# Altium PCB PCB_3U_CLK_DIST.PCBDOC (part 1 of 2) (continued)
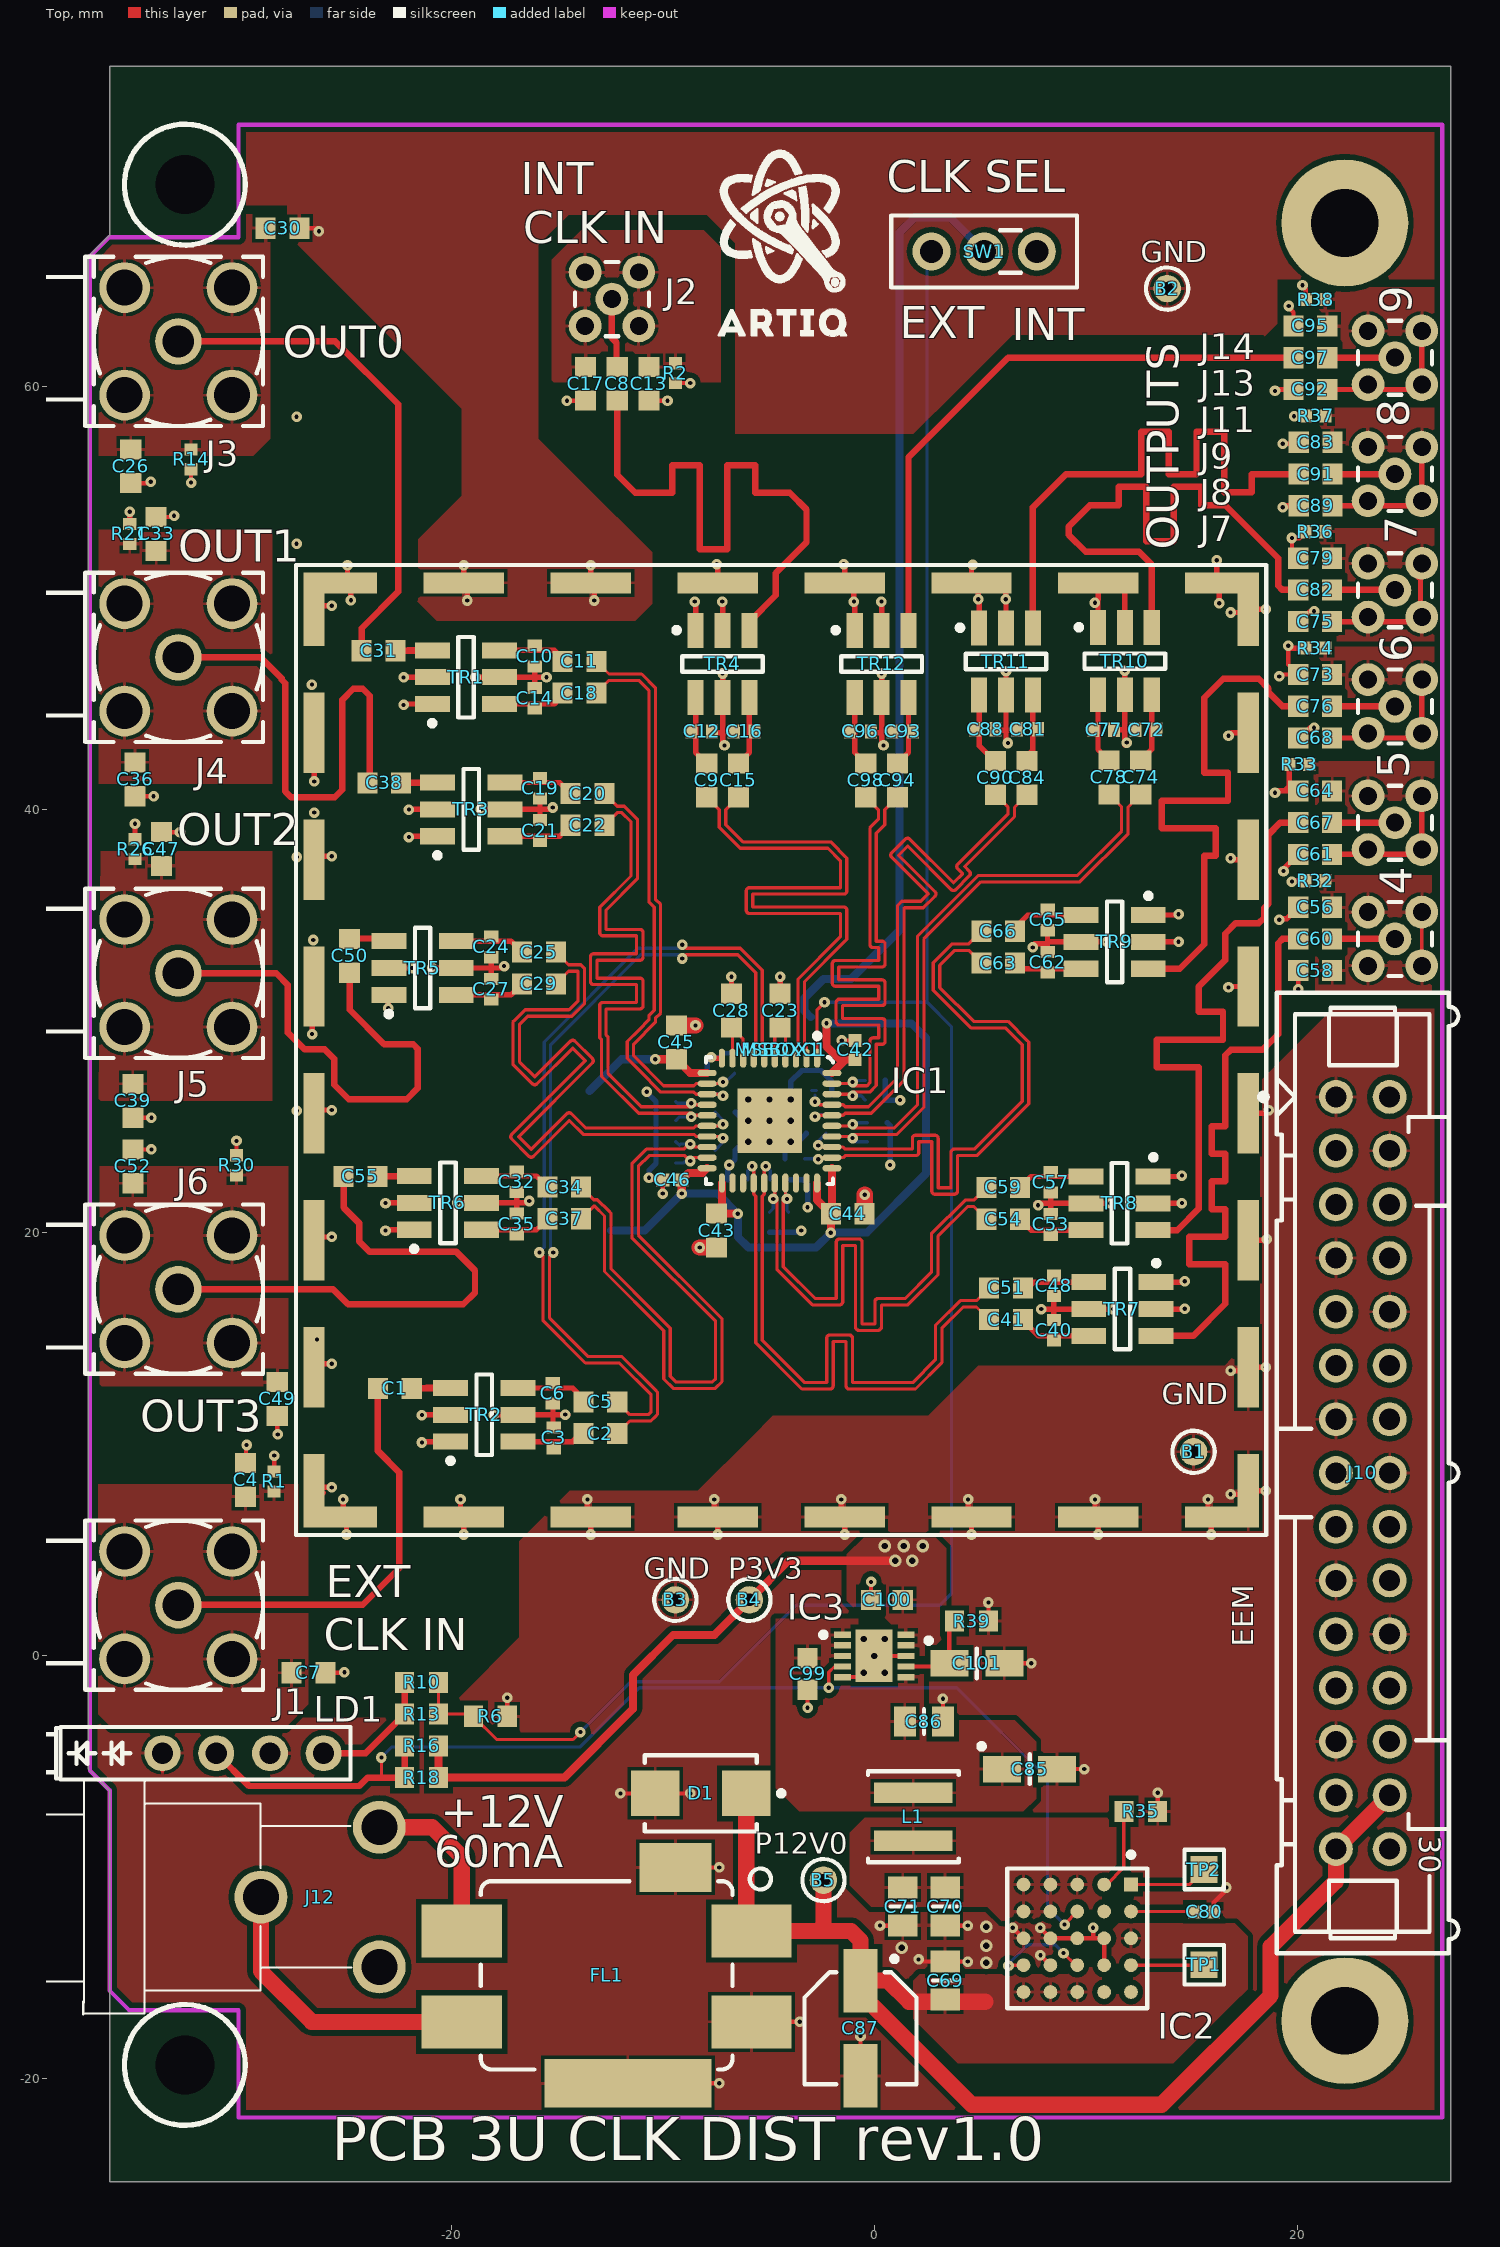
[diagram p0: Top view]
## Footprints (in the part's own frame and the unit in brackets; to place one, negate y for a bottom-side part, rotate by r counter-clockwise, add the part's x,y. Pads: shape width x height; smd on the part's side, far side on the other; paste and mask are expansions set on the pad) (continued)
  silkscreen extent -4.08,-3.3 3.3,3.3, body extent -3.12,-3.12 3.13,3.13, height 1.92
MSBOX_LAIRD_BMI-S-207-C [mm] "Cover for Frame of Standard Surface Mount Shield (Two Piece), External Dimensions 44.83 x 44.83mm"
  body extent -22.41,-22.41 22.42,22.42, height 9.88
MSBOX_LAIRD_BMI-S-207-F [mm] "Frame of Standard Surface Mount Shield (Two Piece), External Dimensions 44.37 x 44.37mm"
  rect 1x3.485 smd: 1(-22.085,20.843) 8(-22.085,-20.843) 15(22.085,-20.843) 22(22.085,20.843)
  rect 2.485x1 smd: 1(-20.342,22.085) 8(-20.342,-22.085) 15(20.342,-22.085) 22(20.342,22.085)
  rect 1x3.8 smd: 2(-22.085,15) 3(-22.085,9) 4(-22.085,3) 5(-22.085,-3) 6(-22.085,-9) 7(-22.085,-15) 16(22.085,-15) 17(22.085,-9) 18(22.085,-3) 19(22.085,3) 20(22.085,9) 21(22.085,15)
  rect 3.8x1 smd: 9(-15,-22.085) 10(-9,-22.085) 11(-3,-22.085) 12(3,-22.085) 13(9,-22.085) 14(15,-22.085) 23(15,22.085) 24(9,22.085) 25(3,22.085) 26(-3,22.085) 27(-9,22.085) 28(-15,22.085)
  silkscreen extent -22.94,-22.94 22.94,22.94, body extent -22.23,-22.23 22.24,22.24, height 9.75
QFN50P600X600X100-41N-S305 [mm] "QFN, 0.50mm pitch,square; 40 pin, 6.00mm L X 6.00mm W X 1.00mm H body (w/thermal tab), IPC Medium Density"
  oval 0.9x0.3 smd: 1(-2.95,2.25) 2(-2.95,1.75) 3(-2.95,1.25) 4(-2.95,0.75) 5(-2.95,0.25) 6(-2.95,-0.25) 7(-2.95,-0.75) 8(-2.95,-1.25) 9(-2.95,-1.75) 10(-2.95,-2.25) 21(2.95,-2.25) 22(2.95,-1.75) 23(2.95,-1.25) 24(2.95,-0.75) 25(2.95,-0.25) 26(2.95,0.25) 27(2.95,0.75) 28(2.95,1.25) 29(2.95,1.75) 30(2.95,2.25)
  oval 0.3x0.9 smd: 11(-2.25,-2.95) 12(-1.75,-2.95) 13(-1.25,-2.95) 14(-0.75,-2.95) 15(-0.25,-2.95) 16(0.25,-2.95) 17(0.75,-2.95) 18(1.25,-2.95) 19(1.75,-2.95) 20(2.25,-2.95) 31(2.25,2.95) 32(1.75,2.95) 33(1.25,2.95) 34(0.75,2.95) 35(0.25,2.95) 36(-0.25,2.95) 37(-0.75,2.95) 38(-1.25,2.95) 39(-1.75,2.95) 40(-2.25,2.95)
  rect 3.05x3.05 smd: 41(0,0)
  silkscreen extent -4.12,-3 3,3, body extent -3,-3 3,3, height 1
RESC1005X40N [mm] "Chip Resistor, EIA 0402, Metric 1005, Body 1.0x0.5mm, IPC Medium Density"
  rect 0.58x0.62 smd: 1(-0.47,0) 2(0.47,0)
  body extent -0.52,-0.27 0.53,0.28, height 0.4
RESC1608X55N [mm] "Chip Resistor, EIA 0603, Metric 1608, Body 1.6x0.8mm, IPC Medium Density"
  rect 0.9x1 smd: 1(-0.8,0) 2(0.8,0)
  body extent -0.87,-0.47 0.88,0.48, height 0.55
RF249BT0050GHDW [mm] "50 Ohm Through Hole SMA Right Angle PCB Jack"
  round 2.2 hole 1.5: 1(0,0)
  round 2.4 hole 1.7: 2(-2.54,2.54) 2(-2.54,-2.54) 2(2.54,2.54) 2(2.54,-2.54)
  silkscreen extent -4,-5.1 15.9,5.1, body extent -4,-5.1 16.5,5.1, height 11.45
SAMTEC_MMCX-J-P-H-ST-TH1 [mm] "Straight Through-hole 50 Ohm Micro Mini RF Jack, MMCX Serie"
  round 1.55 hole 0.85: 1(0,0) 2(-1.27,-1.27) 2(-1.27,1.27) 2(1.27,-1.27) 2(1.27,1.27)
  silkscreen extent -1.75,-1.75 1.75,1.75, body extent -1.75,-1.75 1.75,1.75, height 4.35
SON50P300X300X80-11N-R175X248 [mm] "SON, 0.50mm Pitch, 10-pin, 3.00mm W  X 3.00mm L X 0.80mm Height, (w/thermal tab 1.75 X 2.48 mm), IPC Medium Density"
  rect 0.8x0.3 smd: 1(-1.5,1) 2(-1.5,0.5) 3(-1.5,0) 4(-1.5,-0.5) 5(-1.5,-1) 6(1.5,-1) 7(1.5,-0.5) 8(1.5,0) 9(1.5,0.5) 10(1.5,1)
  rect 1.75x2.48 smd: 11(0,0)
  silkscreen extent -2.52,0.88 -2.27,1.12, body extent -1.5,-1.5 1.5,1.5, height 0.8
SW_TYCO_1-1437575-4 [mm] "Body 8.79 x 3.4mm, SPDT Slide Low Profile Switch, SSA Series"
  round 1.8 hole 1.1: 1(-2.489,0) 2(0,0) 3(2.489,0)
  silkscreen extent -4.39,-1.7 4.39,1.7, body extent -4.39,-1.7 4.39,1.7, height 5.4
SWITCHCRAFT_L712RA [mm] "CONN PWR JACK 2.5X5.5MM SOLDER"
  round 2.5 hole 1.7: 1(-5.6,-3.3) 2(0,-6.6) 3(0,0)
  silkscreen extent -22,-8.84 -1.32,2.21, body extent -22,-8.84 1.35,2.18, height 13.9
TPS127 [mm] "1.27 x  1.27mm SMD Test Point Area"
  rect 1.27x1.27 smd paste-1.27: 1(0,0)
  silkscreen extent -0.94,-0.94 0.94,0.94
XFMR_MINI-CIRCUITS_DB1627 [mm] "MINI-CIRCUITS RF Transformer, Case DB1627 - Body 4.06X3.81mm"
  rect 0.76x1.65 smd: 1(-1.27,1.59) 2(0,1.59) 3(1.27,1.59) 4(1.27,-1.59) 5(0,-1.59) 6(-1.27,-1.59)
  silkscreen extent -2.3,-0.37 1.91,1.72, body extent -1.9,-2.03 1.91,2.03, height 4.06

## Part data
B1 B2 B3 B4 B5: library part PLATED_HOLE0.6_PAD1.3, "Single Terminal Socket"
C1 C2 C4 C5 C7 C8 C9 C11 C13 C15 C17 C18 C20 C22 C23 C25 C26 C28 C29 C30 C31 C33 C34 C36 C37 C38 C39 C41 C43 C44 C45 C47 C49 C50 C51 C52 C54 C55 C56 C58 C59 C60 C61 C63 C64 C66 C67 C68 C73 C74 C75 C76 C78 C79 C82 C83 C84 C89 C90 C91 C92 C94 C95 C97 C98: library part CC0603_10NF_50V_5%_C0G, "Non-polarised capacitor"
C3 C6 C10 C12 C14 C16 C19 C21 C24 C27 C32 C35 C40 C48 C53 C57 C62 C65 C72 C77 C81 C88 C93 C96: library part CC0402_0.5PF_25V_0.05PF_AVX_04023J0R5ABSTR, "Non-polarised capacitor"
C42 C46 C80: library part CC0402_100NF_16V_10%_X5R, "Non-polarised capacitor"
C69 C70 C71 C86: library part CC0805_22UF_16V_10%_X5R, "Non-polarised capacitor"
C85 C101: library part CTE3216-18_22UF_6.3V_10%_LESR0900, "Polarised capacitor"
C87: library part CAE530-540_22UF_16V_20%, "Polarised capacitor"
C99 C100: library part CC0603_4.7UF_25V_10%_X5R, "Non-polarised capacitor"
D1: "Zener Diode"
FL1: library part FIL_MURATA_BNX022-01L, "Block Type EMIFIL (LC Combined)"
IC1: "Two Selectable Inputs, 10 LVPECL Outputs, SiGe Clock Fanout Buffer"
IC2: "4V-20V to 0.6V-5.5V, Iout 3A Step-Down DC/DC uModule Regulator"
IC3: "20V, 500mA, Ultralow Noise, Ultrahigh PSRR Linear Regulator"
J1 J3 J4 J5 J6: "50 Ohm Through Hole SMA Right Angle PCB Jack"
J2 J7 J8 J9 J11 J13 J14: library part SAMTEC_MMCX-J-P-H-ST-TH1
J10: library part 3M_N2530-6002RB, "Connector 30 Male"
J12: "24V /3. 5A, 2.1mm Diameter Pin, SMD DC Power Supply Connector With  Break Contact"
L1: library part IND_6.8UH_20%_COILCRAFT_XAL4030, "Inductor With Core"
LD1: library part LED_DIALIGHT_571-0122F, "LED x2 Green 1C2A-BOT_3C4A-TOP"
MSBOX1: library part MSBOX_LAIRD_BMI-S-207-F
MSBOXC1: library part MSBOX_LAIRD_BMI-S-207-C, "Metal Screening Box - Top Cover 0 Pin"
R1 R2 R14 R21 R26 R30 R32 R33 R34 R36 R37 R38: library part R0402_100K_1%_0.0625W_100PPM, "Resistor - 1%"
R3 R4 R5 R7 R8 R9 R11 R12 R15 R17 R19 R20 R22 R23 R24 R25 R27 R28 R29 R31: library part R0402_200R_1%_0.0625W_100PPM, "Resistor - 1%"
R6 R10 R13 R16 R18: library part R0603_1K2_1%_0.1W_100PPM, "Resistor - 1%"
R35: library part R0603_12K_1%_0.1W_100PPM, "Resistor - 1%"
R39: library part R0603_3K3_1%_0.1W_100PPM, "Resistor - 1%"
SW1: library part SW_TYCO_1-1437575-4, "SPDT Switch"
TP1 TP2: library part SMD_PAD_1.27X1.27MM
TR1 TR2 TR3 TR4 TR5 TR6 TR7 TR8 TR9 TR10 TR11 TR12: library part XFMR_MINI-CIRCUITS_TCM2-43X+, "50 OHMS 10 to 4000 MHz RF Transformer"

## Free pads (board coordinates)
  round 6 hole 3.2: 0(22.25,-17.25) 1(22.25,67.75)
  round 1.27 hole 2.794: 1(-32.594,69.562) 2(-32.594,-19.338)

## Via types
v1: diameter 0.5, hole 0.2, Top to Bot, tented both sides, 209 vias
v2: diameter 0.6, hole 0.3, Top to Bot, tented both sides, 23 vias

## Nets (pads, with @x,y where several pads share a name; then routed paths per layer and width w, separated by ;. In a path a pad name is that pad's centre, name@x,y a point inside that pad or via, vN(x,y) a via of type N, cw(c..) or ccw(c..) an arc to the next point about the centre after c; other vN are vias at no path point)
EEM_CLK_OUT0: C31.2 TR1.3 | length 2.9
  Top w0.305: C31.2@-22.635,47.525 -20.91,47.525 TR1.3@-20.89,47.545 -22.03,47.545
EEM_CLK_OUT1: C38.2 TR3.3 | length 1.6
  Top w0.305: C38.2@-22.29,41.295 TR3.3@-20.64,41.295
EEM_CLK_OUT2: C50.2 TR5.3 | length 1.8
  Top w0.305: C50.2@-24.685,33.92 -23.065,33.92 TR5.3@-22.94,33.795
EEM_CLK_OUT3: C55.2 TR6.3 | length 2.9
  Top w0.305: C55.2@-23.49,22.67 -21.765,22.67 TR6.3@-21.745,22.69 -22.885,22.69
EEM_CLK_OUT4: C60.2 TR7.3 | length 29.9
  Top w0.305: TR7.3@13.325,15.13 14.465,15.13 15.08,15.13 16.6,16.65 16.6,18.519 14.886,18.519 14.886,19.824 16.6,19.824 16.6,21.128 15.96,21.128 15.96,22.433 16.6,22.433 16.6,23.738 15.96,23.738 15.96,25.043 16.6,25.043 16.6,28.4 16.85,28.65 18.35,28.65 19.1,29.4 19.1,33.701 19.3,33.9 C60.2@20.05,33.9
EEM_CLK_OUT5: C67.2 TR8.3 | length 30.2
  Top w0.305: TR8.3@13.19,20.13 14.33,20.13 15.35,21.15 15.35,27.838 13.35,27.838 13.35,29.143 16.491,29.143 16.491,30.448 15.35,30.448 15.35,31.65 16.6,32.9 16.6,34.15 17.1,34.65 18.185,34.65 18.443,34.908 18.443,35.362 18.643,35.561 18.643,38.843 19.2,39.4 C67.2@20.05,39.4
EEM_CLK_OUT6: C76.2 TR9.3 | length 28.7
  Top w0.305: TR9.3@12.955,32.49 14.44,32.49 15.6,33.65 15.6,37.833 16.154,37.833 16.154,39.138 13.6,39.138 13.6,40.443 16.728,40.443 16.728,41.748 15.6,41.748 15.6,45.3 16.5,46.2 18.182,46.2 18.643,45.74 18.643,45.557 19.3,44.9 C76.2@20.05,44.9 ; TR9.3@13.03,32.49 14.17,32.49
EEM_CLK_OUT7: C82.2 TR10.3 | length 28.4
  Top w0.305: TR10.3@13.12,48.625 13.12,51.6 12.52,52.2 10,52.2 9.2,53 9.2,53.4 10.2,54.4 11.552,54.4 11.552,55.271 12.857,55.271 12.857,52.708 14.162,52.708 14.162,55.271 15.467,55.271 15.467,54.4 16.601,54.4 19.1,51.9 19.1,50.6 19.3,50.4 C82.2@20.05,50.4
EEM_CLK_OUT8: C91.2 TR11.3 | length 29.8
  Top w0.305: 7.5,49.745 TR11.3@7.5,48.605 7.5,54.3 9.08,55.88 12.628,55.88 12.628,57.88 13.933,57.88 13.933,55.88 15.238,55.88 15.238,57.88 16.543,57.88 16.543,55.01 17.848,55.01 17.848,55.88 C91.2@20.07,55.88
EEM_CLK_OUT9: C97.2 TR12.3 | length 29.5
  Top w0.305: 1.62,49.63 TR12.3@1.62,48.49 1.62,56.67 6.33,61.38 C97.2@19.82,61.38
EEM_OUT0_N: C11.2 IC1.12 R31.1 | length 26.9
  Top w0.152: C11.2@-13.135,47.025 -12.537,46.427 -10.996,46.427 -10.345,45.776 -10.345,35.776 -10.1,35.531 -10.1,30.395 -10.345,30.15 -10.345,29.955 -11.375,28.925 -11.375,28.376 -9.962,26.963 -8.523,26.963 -8.426,27.06 IC1.12@-7.9,27.06 -7.226,27.06 v1(-7.15,27.137)
  Bot w0.152: v1(-7.15,27.137) -7.018,27.137 R31.1@-6.6,27.555
EEM_OUT0_P: C18.2 IC1.13 R29.1 | length 27
  Top w0.152: C18.2@-13.135,45.525 -12.537,46.123 -11.123,46.123 -10.65,45.65 -10.65,35.65 -10.404,35.405 -10.404,30.522 -10.65,30.276 -10.65,30.082 -11.115,29.616 -11.68,29.051 -11.68,28.25 -11.115,27.685 -10.088,26.658 -8.523,26.658 -8.426,26.56 IC1.13@-7.9,26.56 -7.226,26.56 v1(-7.15,26.484)
  Bot w0.152: R29.1@-7.9,26.59 -7.256,26.59 v1(-7.15,26.484)
EEM_OUT1_N: C20.2 IC1.14 R28.1 | length 28.5
  Top w0.152: C20.2@-12.75,40.775 -12.152,40.177 -11.809,40.177 -11.195,39.564 -11.195,36.749 -12.675,35.269 -12.675,34.351 -11.081,34.351 cw(c-11.081,34.199) -10.929,34.199 -10.929,33.046 cw(c-11.081,33.046) -11.081,32.894 -13.111,32.894 -13.111,32.046 -11.081,32.046 cw(c-11.081,31.894) -10.929,31.894 -10.929,30.742 cw(c-11.081,30.742) -11.081,30.589 -12.675,30.589 -12.675,29.353 -12.584,29.262 -12.584,27.534 -11.013,25.963 v1@-8.65,25.963 ; v1(-8.65,26.137) -8.573,26.06 IC1.14@-7.9,26.06
  Bot w0.152: R28.1@-9.38,26.21 -9.306,26.137 v1(-8.65,26.137)
EEM_OUT1_P: C22.2 IC1.15 R27.1 | length 28.5
  Top w0.152: C22.2@-12.75,39.275 -12.152,39.873 -11.935,39.873 -11.5,39.438 -11.5,36.875 -12.98,35.395 -12.98,34.199 ccw(c-12.827,34.199) -12.827,34.046 -11.234,34.046 -11.234,33.199 -13.263,33.199 ccw(c-13.263,33.046) -13.416,33.046 -13.416,31.894 ccw(c-13.263,31.894) -13.263,31.742 -11.234,31.742 -11.234,30.894 -12.827,30.894 ccw(c-12.827,30.742) -12.98,30.742 -12.98,29.226 -12.889,29.136 -12.889,27.408 -12.8,27.319 -11.139,25.658 v1@-8.65,25.658 ; v1(-8.65,25.484) -8.573,25.56 IC1.15@-7.9,25.56
  Bot w0.152: R27.1@-9.38,25.31 -9.206,25.484 v1(-8.65,25.484)
EEM_OUT2_N: C25.2 IC1.16 R25.1 | length 30.3
  Top w0.152: C25.2@-15.05,33.275 -14.452,32.677 -13.874,32.677 -13.695,32.499 -13.695,30.849 -14.299,30.245 -16.38,30.245 -16.775,29.85 -16.775,28.1 -16.05,27.375 -14.362,29.064 cw(c-14.254,28.956) -14.146,29.063 -13.332,28.249 cw(c-13.439,28.141) -13.287,28.141 cw(c-13.439,28.141) -13.332,28.033 -16.816,24.549 -16.217,23.95 -14.528,25.638 cw(c-14.421,25.53) -14.312,25.637 -13.638,24.963 -8.523,24.963 -8.426,25.06 IC1.16@-7.9,25.06 -7.226,25.06 v1(-7.15,25.137)
  Bot w0.152: R25.1@-7.52,25.71 -7.15,25.34 v1(-7.15,25.137)
EEM_OUT2_P: C29.2 IC1.17 R24.1 | length 30.3
  Top w0.152: C29.2@-15.05,31.775 -14.452,32.373 -14,32.373 -14,30.975 -14.425,30.55 -16.506,30.55 -16.991,30.066 -17.08,29.976 -17.08,27.974 -16.158,27.052 ccw(c-16.05,27.16) -15.942,27.053 -14.254,28.74 -13.655,28.141 -17.139,24.657 ccw(c-17.032,24.549) -17.139,24.441 -16.324,23.626 ccw(c-16.217,23.734) -16.108,23.627 -14.421,25.315 -13.764,24.658 -8.523,24.658 -8.518,24.653 -8.512,24.653 -8.42,24.56 IC1.17@-7.9,24.56 -7.226,24.56 v1(-7.15,24.484)
  Bot w0.152: R24.1@-7.52,23.91 -7.15,24.28 v1(-7.15,24.484)
EEM_OUT3_N: C34.2 IC1.18 R23.1 | length 29.6
  Top w0.152: C34.2@-13.855,22.17 -13.257,21.572 -13.091,21.572 -12.534,21.016 -12.445,20.926 -12.445,18.301 -10.297,16.153 -9.645,15.501 -9.645,13.22 -9.38,12.955 -7.645,12.955 -7.5,13.1 -7.5,15.82 -11.454,19.774 -11.454,23.277 -10.768,23.963 -9,23.963 -8.763,24.2 v1(-8.7,24.2) ; v1@-8.7,24.06 IC1.18@-7.9,24.06
  Bot w0.152: R23.1@-9.38,24.31 -9.206,24.137 -9.143,24.2 v1(-8.7,24.2)
EEM_OUT3_P: C37.2 IC1.19 R22.1 | length 29.4
  Top w0.152: C37.2@-13.855,20.67 -13.257,21.268 -13.218,21.268 -12.75,20.8 -12.75,18.175 -9.95,15.375 -9.95,13.094 -9.506,12.65 -7.519,12.65 -7.195,12.974 -7.195,15.946 -11.15,19.9 -11.15,23.15 -10.642,23.658 -8.958,23.658 v1(-8.7,23.4) ; v1@-8.62,23.48 -8.539,23.56 IC1.19@-7.9,23.56
  Bot w0.152: R22.1@-9.38,23.31 -9,23.31 v1@-8.839,23.471
EEM_OUT4_N: C41.2 IC1.24 R20.1 | length 28.3
  Top w0.152: v1(-5.776,23.15) -5.7,23.074 IC1.24@-5.7,22.36 -5.7,21.834 -5.602,21.737 -5.602,14.802 -3.42,12.62 -2.093,12.62 ccw(c-2.093,12.773) -1.94,12.773 -1.94,14.869 -1.331,14.869 -1.331,12.773 ccw(c-1.178,12.773) -1.178,12.62 1.951,12.62 3.2,13.869 3.2,15.498 4.2,16.498 4.838,16.498 C41.2@5.435,15.9
  Bot w0.152: R20.1@-5.98,22.51 -5.98,22.947 v1(-5.776,23.15)
EEM_OUT4_P: C51.2 IC1.25 R19.1 | length 27.8
  Top w0.152: v1(-5.123,23.15) -5.2,23.074 IC1.25@-5.2,22.36 -5.2,21.834 -5.297,21.737 -5.297,14.928 -3.294,12.925 -2.255,12.925 -2.245,12.934 -2.245,15.022 cw(c-2.093,15.022) -2.093,15.174 -1.178,15.174 cw(c-1.178,15.022) -1.026,15.022 -1.026,12.925 1.825,12.925 2.895,13.995 2.895,15.624 4.074,16.803 4.838,16.803 C51.2@5.435,17.4
  Bot w0.152: v1(-5.123,23.15) -4.92,22.947 R19.1@-4.92,22.51
EEM_OUT5_N: C54.2 IC1.26 R17.1 | length 26.5
  Top w0.152: v1(-4.776,21.61) -4.7,21.687 IC1.26@-4.7,22.36 ; v1@-4.602,21.61 -4.602,18.274 -2.923,16.596 -1.643,16.596 ccw(c-1.643,16.748) -1.49,16.748 -1.49,19.409 -0.881,19.409 -0.881,15.546 ccw(c-0.728,15.546) -0.728,15.393 0.186,15.393 ccw(c0.186,15.546) 0.338,15.546 0.338,16.596 1.596,16.596 3.011,18.011 3.011,19.836 4.423,21.248 4.703,21.248 C54.2@5.3,20.65
  Bot w0.152: R17.1@-4.95,20.98 -4.776,21.154 v1(-4.776,21.61)
EEM_OUT5_P: C59.2 IC1.27 R15.1 | length 26
  Top w0.152: v1@-4.297,21.61 -4.297,18.4 -2.797,16.9 -1.795,16.9 -1.795,19.562 cw(c-1.643,19.562) -1.643,19.714 -0.728,19.714 cw(c-0.728,19.562) -0.576,19.562 -0.576,15.698 0.034,15.698 0.034,16.748 cw(c0.186,16.748) 0.186,16.9 1.469,16.9 2.706,18.137 2.706,19.962 4.297,21.553 4.703,21.553 C59.2@5.3,22.15 ; IC1.27@-4.2,22.36 -4.2,21.687 v1(-4.123,21.61)
  Bot w0.152: v1(-4.123,21.61) -4.123,21.054 R15.1@-4.05,20.98
EEM_OUT6_N: C63.2 IC1.32 R12.1 | length 28.2
  Top w0.152: v1(-2.65,23.484) -2.573,23.56 IC1.32@-2,23.56 -1.473,23.56 -1.376,23.658 0.557,23.658 0.563,23.664 0.938,23.664 0.944,23.658 1.957,23.658 ccw(c1.957,23.81) 2.11,23.81 2.11,24.313 2.719,24.313 2.719,21.985 ccw(c2.872,21.985) 2.872,21.832 3.786,21.832 ccw(c3.786,21.985) 3.938,21.985 3.938,23.658 4.858,23.658 7.305,26.105 7.305,29.026 7.216,29.116 6.331,30 4.7,30 3.1,31.6 3.1,32.65 3.808,33.358 4.468,33.358 C63.2@5.065,32.76
  Bot w0.152: R12.1@-3.28,23.51 -2.676,23.51 v1(-2.65,23.484)
EEM_OUT6_P: C66.2 IC1.33 R11.1 | length 28.3
  Top w0.152: v1(-2.65,24.137) -2.573,24.06 IC1.33@-2,24.06 -1.473,24.06 -1.376,23.963 0.431,23.963 0.437,23.968 1.064,23.968 1.07,23.963 1.805,23.963 1.805,24.466 cw(c1.957,24.466) 1.957,24.618 2.872,24.618 cw(c2.872,24.466) 3.024,24.466 3.024,22.137 3.634,22.137 3.634,23.81 cw(c3.786,23.81) 3.786,23.963 4.732,23.963 7,26.231 7,28.9 6.205,29.695 4.574,29.695 2.796,31.473 2.796,32.777 2.885,32.866 3.682,33.663 4.468,33.663 C66.2@5.065,34.26
  Bot w0.152: v1(-2.65,24.137) -2.65,24.34 R11.1@-2.28,24.71
EEM_OUT7_N: C74.2 IC1.34 R9.1 | length 27.5
  Top w0.152: IC1.34@-2,24.56 -1.1,24.56 v1(-1.023,24.484) ; v1@-1.023,24.658 1.076,24.658 2.35,25.932 2.35,33.9 5.046,36.596 9.727,36.596 12.003,38.872 12.003,40.138 C74.2@12.6,40.735
  Bot w0.152: v1(-1.023,24.484) -0.849,24.31 R9.1@-0.32,24.31
EEM_OUT7_P: C78.2 IC1.35 R8.1 | length 26.9
  Top w0.152: IC1.35@-2,25.06 -1.1,25.06 v1(-1.023,25.137) ; v1@-1.023,24.963 0.95,24.963 2.045,26.058 2.045,34.026 4.919,36.9 9.6,36.9 11.698,38.998 11.698,40.138 C78.2@11.1,40.735
  Bot w0.152: v1(-1.023,25.137) -0.95,25.21 R8.1@-0.32,25.21
EEM_OUT8_N: C84.2 IC1.36 R7.1 | length 28.1
  Top w0.152: v1(-2.8,25.5) -2.634,25.5 -2.573,25.56 IC1.36@-2,25.56 -1.473,25.56 -1.376,25.658 -0.142,25.658 1.405,27.205 1.405,35.35 1.43,35.375 2.325,35.375 2.873,35.923 ccw(c2.765,36.031) 2.918,36.031 ccw(c2.765,36.031) 2.873,36.139 ; 2.873,36.139 1.15,37.862 1.581,38.293 3.641,36.233 ccw(c3.749,36.341) 3.857,36.233 ; 3.857,36.233 4.503,36.879 ; 4.503,36.88 ccw(c4.396,36.987) 4.548,36.987 ccw(c4.396,36.987) 4.503,37.095 4.274,37.324 6.633,39.683 6.633,40.118 C84.2@7.23,40.715
  Bot w0.152: v1(-2.8,25.5) -2.634,25.5 -2.543,25.59 R7.1@-2,25.59
EEM_OUT8_P: C90.2 IC1.37 R5.1 | length 27.4
  Top w0.152: v1(-2.8,26.2) -2.713,26.2 -2.573,26.06 IC1.37@-2,26.06 -1.473,26.06 -1.376,25.963 -0.268,25.963 1.1,27.331 1.1,35.476 1.304,35.68 2.199,35.68 2.55,36.031 0.827,37.754 ; 0.827,37.754 cw(c0.935,37.862) 0.827,37.97 1.473,38.616 cw(c1.581,38.509) 1.689,38.616 3.749,36.556 4.18,36.987 3.951,37.216 cw(c4.059,37.324) 3.951,37.432 ; 3.951,37.432 6.328,39.809 6.328,40.118 C90.2@5.73,40.715
  Bot w0.152: R5.1@-2.95,26.74 R5.1@-2.729,26.74 ; v1(-2.8,26.2) -2.8,26.51
EEM_OUT9_N: C94.2 IC1.38 R4.1 | length 25.8
  Top w0.152: IC1.38@-2,26.56 -1.1,26.56 v1(-1.023,26.484) ; v1@-1.023,26.658 -0.211,26.658 0.1,26.969 0.1,28.918 0.364,28.918 ccw(c0.364,29.071) 0.516,29.071 0.516,29.985 ccw(c0.364,29.985) 0.364,30.138 -1.496,30.138 -1.496,30.747 0.364,30.747 ccw(c0.364,30.9) 0.516,30.9 0.516,31.814 ccw(c0.364,31.814) 0.364,31.966 -1.678,31.966 -1.678,32.576 0.364,32.576 ccw(c0.364,32.728) 0.516,32.728 0.516,33.643 ccw(c0.364,33.643) 0.364,33.795 0.1,33.795 0.1,38.896 0.503,39.299 0.503,40.003 C94.2@1.1,40.6
  Bot w0.152: v1(-1.023,26.484) -0.622,26.484 R4.1@-0.42,26.282
EEM_OUT9_P: C98.2 IC1.39 R3.1 | length 25.3
  Top w0.152: IC1.39@-2,27.06 -1.1,27.06 v1(-1.023,27.137) ; v1@-1.023,26.963 -0.337,26.963 -0.204,27.096 -0.204,29.071 cw(c-0.052,29.071) -0.052,29.223 0.211,29.223 0.211,29.833 -1.649,29.833 cw(c-1.649,29.985) -1.801,29.985 -1.801,30.9 cw(c-1.649,30.9) -1.649,31.052 0.211,31.052 0.211,31.662 -1.83,31.662 cw(c-1.83,31.814) -1.982,31.814 -1.982,32.728 cw(c-1.83,32.728) -1.83,32.881 0.211,32.881 0.211,33.49 -0.052,33.49 cw(c-0.052,33.643) -0.204,33.643 -0.204,39.149 0.198,39.551 0.198,40.003 C98.2@-0.4,40.6
  Bot w0.152: v1(-1.023,27.137) -0.95,27.21 R3.1@-0.42,27.21